# Altium PCB Lombardo_RevB.PcbDoc (part 2 of 2)
Units mil, origin at the board's own origin, x right, y up, seen from the top; angles counter-clockwise.
Board outline 3800 x 2752 mil, 4 copper layers (Top, L2, L3, Bottom), stack 59.694 mil thick; 168 components, 76 nets, 509 pads, 409 vias.
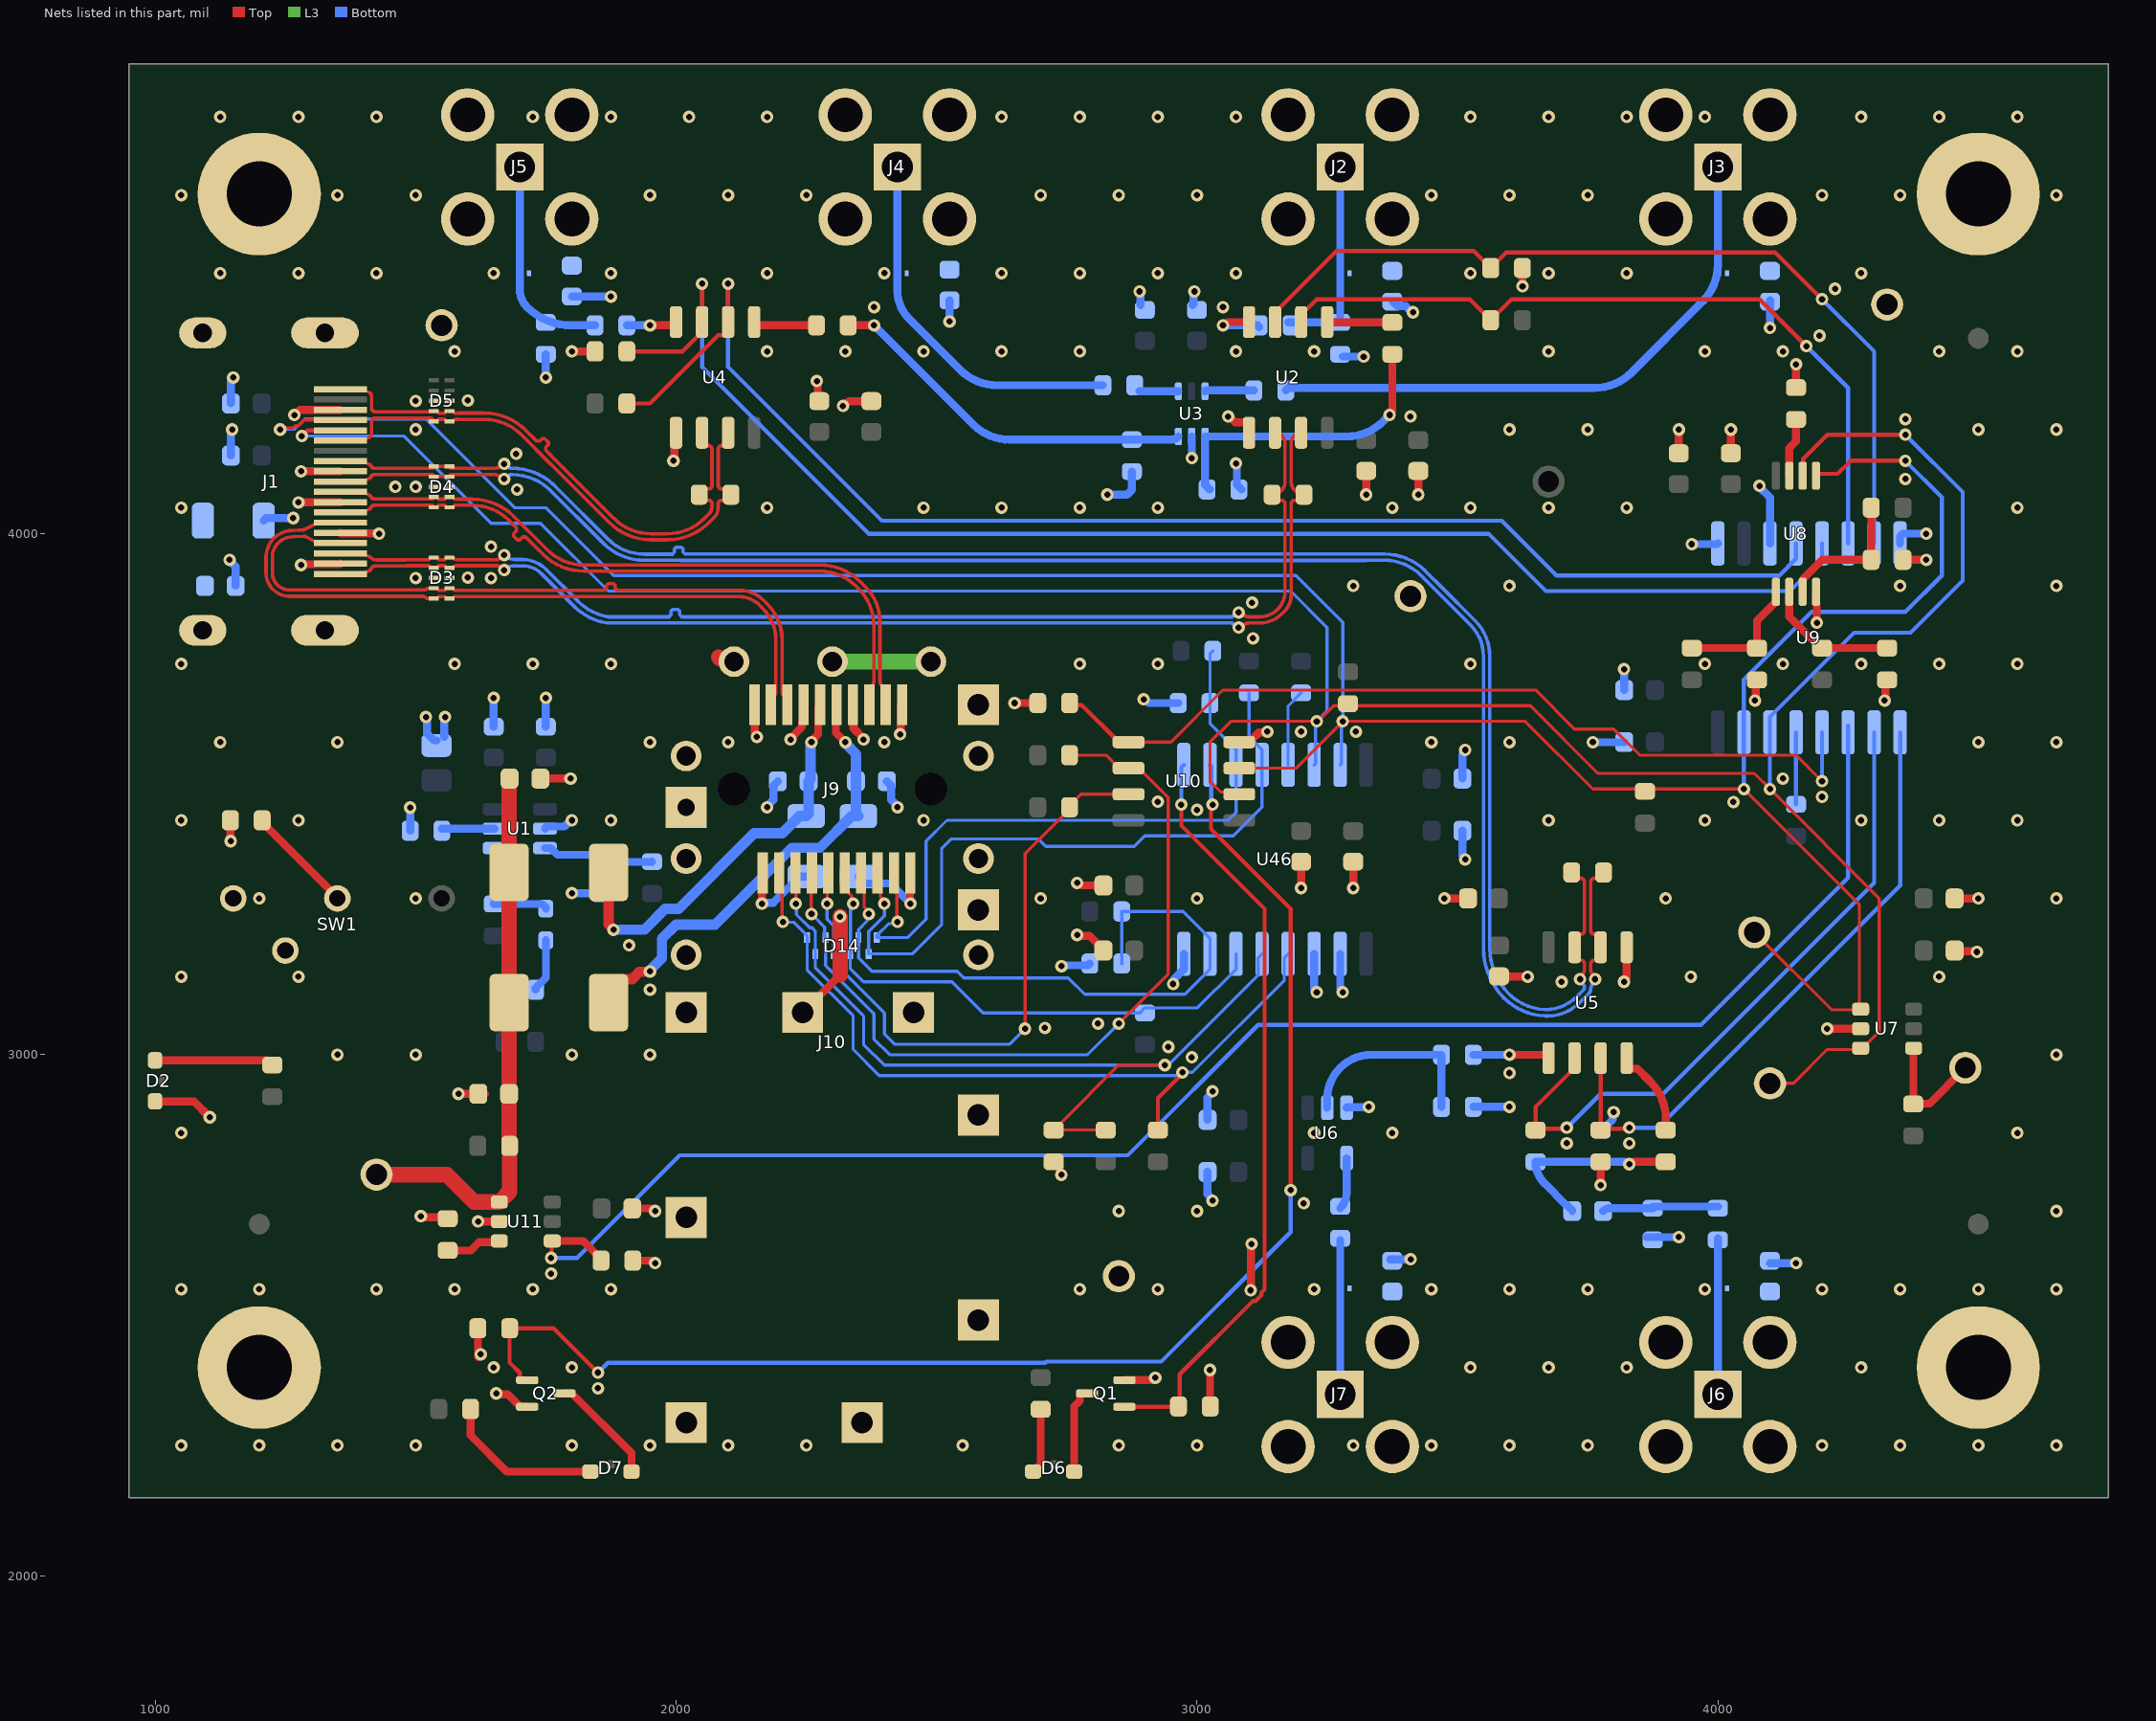
[diagram p4: the nets of this part, all layers, seen from the top]

## Via types
v1: diameter 24, hole 12, Top to Bottom, tented top, 409 vias

## Nets (pads, with @x,y where several pads share a name; then routed paths per layer and width w, separated by ;. In a path a pad name is that pad's centre, name@x,y a point inside that pad or via, vN(x,y) a via of type N, cw(c..) or ccw(c..) an arc to the next point about the centre after c; other vN are vias at no path point) (continued)
GND: C1.2 C2.2 C3.2 C4.2 C5.2 C6.2 C7.2 C8.2 C9.2 C10.2 C11.2 C12.2 C13.2 C14.2 C15.2 C16.2 C17.2 C19.2 C20.2 C21.2 C22.2 C23.2 C24.2 C25.2 C26.2 C27.2 C28.2 C29.2 C30.2 C31.2 C32.2 C33.2 C34.2 C35.2 C36.1 C37.1 C38.1 C39.1 C40.1 C41.1 C415.2 C416.1 D2.1 J1.2 J1.5 J1.8 J1.11 J1.17 J9.1 J9.10 J9.11 J9.14 J9.17 J9.20 Q1.2 Q2.2 R4.1 R5.2 R6.1 R11.1 R16.1 R18.1 R19.1 R28.1 R29.1 R30.1 R31.2 R40.1 R41.1 R42.1 R43.1 R47.1 R48.1 R50.1 R51.1 R52.1 R59.2 R60.1 R61.1 R62.1 R65.1 SW1.MH1 SW1.MH2 TP4.1 TP5.1 TP6.1 TP7.1 U1.2 U2.5 U3.2 U4.5 U5.5 U6.3 U7.2 U8.4 U9.1 U9.3 U9.8 U10.4 U11.2 U46.2 U46.3 U46.8 | length 5700.3
  Top w15: R59.2@1917.03,2605 1952.56,2605 1957.56,2600 v1(1960,2600) ; C25.2@3925,4154.53 v1(3925,4200) ; C26.2@4025,4154.53 v1(4025,4200) ; v1(4071,3680) 4072.72,3681.72 4072.72,3717.21 R29.1@4075,3719.49 ; R28.1@4150,4280.51 v1(4150,4325) ; U8.4@4188.39,3888.58 4188.56,3888.41 4188.56,3865.94 4190,3864.5 v1(4190,3829) ; v1(4210,3050) U7.2@4269.13,3050.01 ; v1(4320,3680) 4321.72,3681.72 4321.72,3716.21 R30.1@4325,3719.49 ; R31.2@4355.51,3950 v1(4400,3950)
  Top w15.44: D2.1@1000,2910.63 1074.37,2910.63 v1(1105,2880) ; R5.2@1144.49,3450 1144.74,3449.74 1144.74,3410.26 v1(1145,3410) ; v1(1267.29,4227.89) 1268.19,4227.89 1278.09,4237.8 J1.17@1355.91,4237.8 ; v1(1275,4060) 1275.31,4060.31 1355.59,4060.31 J1.8@1355.91,4060.63 ; v1(1280,3940) 1281.46,3941.46 1354.84,3941.46 J1.2@1355.91,3942.52 ; v1(1280,4120) 1280.16,4119.84 1355.75,4119.84 J1.11@1355.91,4119.69 ; J1.5@1355.91,4001.57 1356.69,4000.79 1429.21,4000.79 v1(1430,4000) ; v1(1510,2690) 1511.64,2688.36 1558.67,2688.36 R60.1@1561.52,2685.51 ; v1(1582.4,2925) C29.2@1632.87,2925 ; R62.1@1619.49,2475 1619.74,2474.74 1619.74,2420.26 v1@1620,2420 ; v1(1620,2680) U11.2@1660.66,2680 ; v1(1655,2350) 1656.64,2348.36 1676.72,2348.36 1700.67,2324.41 Q2.2@1714.17,2324.41 ; C32.2@1739.53,3530 v1(1797.5,3530) ; v1(1800,4350) R47.1@1844.49,4350 ; C35.2@1916.05,2705 1952.68,2705 1957.68,2700 v1(1960,2700) ; v1(1995,4140) 1996.64,4141.64 1996.64,4190.34 U4.5@2000,4193.7 ; J9.20@2149.37,3671.42 2151.49,3669.29 2151.49,3615.82 2155,3612.32 v1(2155,3610) ; v1(2165,3290) 2165.06,3290.06 2165.06,3348.52 J9.1@2165.12,3348.58 ; v1(2220,3605) 2220,3607.32 2241.73,3629.05 2241.73,3639.77 2243.86,3641.89 J9.17@2243.86,3671.42 ; v1(2270.3,4293) 2271.94,4291.36 2271.94,4257.59 C17.2@2275,4254.53 ; v1(2320.3,4245.3) 2322.62,4245.3 2331.84,4254.53 C16.2@2375,4254.53 ; J9.14@2338.35,3671.42 2340.47,3669.29 2340.47,3626.85 2360,3607.32 v1(2360,3605) ; v1(2430,3615) 2431.42,3616.42 2431.42,3670 J9.11@2432.84,3671.42 ; J9.10@2448.58,3348.58 2449.29,3347.87 2449.29,3290.71 v1(2450,3290) ; v1(2650,3675) R65.1@2694.49,3675 ; R40.1@2725,2794.49 2727.87,2794.49 2736.26,2786.1 2736.26,2775.46 2739.7,2772.02 v1(2739.7,2769.7) ; v1(2770,3230) 2771.64,3228.36 2793.53,3228.36 2820.47,3201.42 C7.2@2820.47,3200 ; v1(2770,3330) 2772.32,3330 2777.32,3325 C8.2@2820.47,3325 ; Q1.2@2860.83,2375.59 2913.27,2375.59 2917.68,2380 v1(2920,2380) ; v1(3025,2395) 3025.26,2394.74 3025.26,2325.26 R61.1@3025.51,2325 ; v1(3060,4225) 3062.32,4225 3073.32,4214 3095.91,4214 3100,4209.91 U2.5@3100,4193.7 ; U10.4@3081.3,3600 3085.39,3604.09 3104.09,3604.09 3118.36,3618.36 3133.36,3618.36 v1(3135,3620) ; v1(3103.15,2548) 3104.08,2548.92 3104.08,2635.92 v1(3105,2636.85) ; v1(3200,3320) C5.2@3200,3370.47 ; v1(3300,3320) C6.2@3300,3370.47 ; v1(3325,4075) C13.2@3325,4120.47 ; v1(3425,4075) C12.2@3425,4120.47 ; v1(3475,3300) C20.2@3520.47,3300 ; C19.2@3580,3150.47 3580.24,3150.24 3634.76,3150.24 v1(3635,3150) ; R43.1@3624.88,4510 3624.94,4509.94 3624.94,4475.06 v1(3625,4475) ; v1(3775,2750) R48.1@3775,2794.49 ; v1(3820,3140) 3820,3142.32 3825,3147.32 U5.5@3825,3206.3 ; C23.2@4454.53,3200 4455.84,3198.69 4496.06,3198.69 v1(4497.37,3197.37) ; C24.2@4454.53,3300 v1(4500,3300)
  Bottom w15: v1(2990,4145) U3.2@2990,4186.69 ; v1(3075,4135) 3076.72,4133.28 3076.72,4093.79 R50.1@3085.51,4085 ; v1(3760,3600) C27.2@3820.47,3600 ; v1(3820,3740) 3820.24,3739.76 3820.24,3700.24 C28.2@3820.47,3700 ; U9.8@4350,3981.3 4350,3994.7 4355.3,4000 v1(4400,4000)
  Bottom w15.44: v1(1143,3950) 1143,3948.53 1154.53,3937 C3.2@1154.53,3900 ; C1.2@1145.47,4150 1145.47,4195.16 1148,4197.68 v1(1148,4200) ; C2.2@1145.47,4250 1145.47,4293.16 1150,4297.68 v1(1150,4300) ; R4.1@1208.27,4025 1213.27,4030 v1(1265,4030) ; R6.1@1489.49,3430 1489.55,3430.06 1489.55,3474.3 v1(1489.62,3474.36) ; v1(1520,3648) 1521.64,3646.36 1521.64,3617.44 1535.61,3603.46 C11.2@1540,3603.46 ; C11.2@1554.69,3610 1555.11,3610.41 1555.11,3646.36 v1(1556.75,3648) ; C9.2@1650,3629.53 v1(1650,3685) ; U1.2@1748.43,3433.9 1752.52,3438 1785.68,3438 1797.68,3450 v1(1800,3450) ; C10.2@1750,3629.53 v1(1750,3685) ; v1(1750,4300) R16.1@1750,4344.49 ; v1(1800,3310) 1800.24,3310.24 1853.67,3310.24 C4.2@1853.9,3310.47 ; C39.1@1800,4455 v1(1875,4455) ; v1(2165,3290) 2166.64,3291.64 2186.72,3291.64 2237.01,3341.93 C33.2@2250,3341.93 ; v1(2175,3475) 2175,3477.32 2186.69,3489.01 2186.69,3516.22 C34.2@2195.47,3525 ; C30.2@2350,3341.93 2363.23,3328.7 2411.3,3328.7 v1(2450,3290) ; C31.2@2404.53,3525 2413.31,3516.22 2413.31,3489.01 2425,3477.32 v1(2425,3475) ; v1(2525,4407.4) C38.1@2525,4447.87 ; v1(2740,3170) 2741.64,3171.64 2791.13,3171.64 R41.1@2794.49,3175 ; v1(2828,4075) 2865.96,4075 2875,4084.04 R51.1@2875,4119.49 ; v1(2890,4465) 2891.64,4463.36 2891.64,4439.39 C14.2@2891.97,4439.06 ; v1(2897.8,3682.2) 2900.12,3682.2 2907.32,3675 R42.1@2963.98,3675 ; v1(2954.14,3135.86) 2955.78,3137.5 2955.78,3144.95 2975,3164.17 U46.8@2975,3193.7 ; C15.2@2991.97,4439.06 2993.36,4440.45 2993.36,4463.36 v1(2995,4465) ; C22.2@3020.47,2775 3020.24,2774.76 3020.24,2732.08 3030,2722.32 v1(3030,2720) ; C21.2@3020.47,2875 3020.47,2918.16 3030,2927.68 v1(3030,2930) ; U46.3@3225,3193.7 3225,3127.32 3230,3122.32 v1(3230,3120) ; U46.2@3275,3193.7 3275,3127.32 3280,3122.32 v1(3280,3120) ; R11.1@3280,4340 v1(3320,4340) ; U6.3@3287.4,2898.43 3288.19,2899.21 3329.21,2899.21 v1(3330,2900) ; C41.1@3370.6,2607.36 v1@3410.12,2607.36 ; C36.1@3376.42,4445.47 3385.2,4436.69 3400.99,4436.69 3412.68,4425 v1(3415,4425) ; C416.1@3509.53,3430 3509.53,3382.79 3515,3377.32 v1(3515,3375) ; C415.2@3509.53,3530 3509.53,3577.21 3515,3582.68 v1(3515,3585) ; R52.1@3530.51,2900 v1(3600,2900) ; R18.1@3775,2855.51 3777.87,2855.51 3798.36,2876 3798.36,2888.36 v1(3800,2890) ; R19.1@3863.7,2650 v1(3925,2650) ; v1(3950,3980) 3998.7,3980 U9.1@4000,3981.3 ; v1(4080,4092) 4080,4089.68 4100,4069.68 U9.3@4100,3981.3 ; C40.1@4100,2600 v1(4150,2600) ; v1(4100,4395) C37.1@4100,4447.87
  other v1: 1850,2360 1650,2400 1800,2400 1625,2425 1425,2550 1575,2550 1725,2550 1875,2550 2775,2550 2925,2550 3225,2550 3975,2550 1760,2580 3410.36,2607.6 2850,2700 3000,2700 4650,2700 3205,2715 3710,2830 3830,2830 3225,2850 3375,2850 4575,2850 3600,2965 2990,2995 1350,3000 1500,3000 1800,3000 1950,3000 4650,3000 2945,3015 2708,3051.54 2810,3060 1950,3125 3700,3140 1275,3150 3948,3150 4425,3150 1910,3210 1200,3300 1500,3300 2700,3300 3000,3300 3900,3300 4650,3300 1275,3450 1875,3450 2475,3450 3675,3450 3975,3450 4275,3450 4425,3450 4575,3450 3000,3470 4030,3485 2925,3485.69 4200,3495 4125,3530 1350,3600 1950,3600 2100,3600 2400,3600 3450,3600 3600,3600 4500,3600 4650,3600 3200,3620 3305,3620 1575,3750 1725,3750 1875,3750 2775,3750 2925,3750 3525,3750 3975,3750 4125,3750 4275,3750 4425,3750 4575,3750 3107.5,3799.32 3105.74,3867.8 3300,3900 3600,3900 4350,3900 4650,3900 1645,3915 1645,3975 2175,4050 2475,4050 2625,4050 2775,4050 2925,4050 3375,4050 3525,4050 3675,4050 3825,4050 4575,4050 1695,4085 4360,4105 1693.24,4153.47 1500,4200 3600,4200 3750,4200 4500,4200 4650,4200 4360,4220 3410,4225 1575,4350 2175,4350 2325,4350 2475,4350 2625,4350 2775,4350 3075,4350 3225,4350 3675,4350 3975,4350 4125,4350 4425,4350 4575,4350 4195,4380 2380,4435 3050,4435 4225,4470 1650,4500 2400,4500
HDMI_I2C_SCL: J1.15 R23.1 TP1.1 U7.3 U8.6 U9.14 U10.2 U46.14 | length 5782.7
  Top w6: U10.2@3081.3,3500 3077.15,3504.15 3045.85,3504.15 3025,3525 3025,3600 3065,3640 3232.51,3640 3262.51,3670 3640,3670 3770,3540 4070,3540 v1(4100,3510) 4310,3300 4310,3044.63 4277.97,3012.6 U7.3@4274.13,3012.6 ; TP1.1@4100,2945 4145,2945 4210,3010 U7.3@4274.48,3010
  Top w8: v1(1281.75,4187.49) 1281.82,4187.49 1292.72,4198.39 J1.15@1355.91,4198.43 ; U8.6@4162.8,4111.42 4163.67,4112.29 4163.67,4143.67 4210,4190 v1(4360,4190) v1@4363.06,4193.06
  Bottom w6: v1(1281.75,4187.49) 1477.51,4187.49 1645,4020 1740,4020 1870,3890 3180,3890 3250,3820 3250,3660 v1(3230,3640) 3227.5,3637.5 3227.5,3558.8 U46.14@3225,3556.3
  Bottom w8: v1(4100,3510) U9.14@4100,3618.7 4100,3648.23 4261.77,3810 4370,3810 4470,3910 4470,4080 v1(4360,4190)
HDMI_I2C_SCL_BUF: D14.8 J9.5 R58.1 U10.7 | length 1251.7
  Top w6: v1(2290,3290) 2290.55,3290.55 2290.55,3348.03 J9.5@2291.1,3348.58 ; v1(2670,3050) 2670,3386.34 2755.51,3471.85 R58.1@2755.51,3475 2755.51,3478.15 2777.36,3500 U10.7@2868.4,3500 ; U10.7@2851.4,3491.41 2859.99,3500 U10.7@2868.7,3500
  Bottom w6: v1(2290,3290) 2290,3260 2302.76,3247.24 D14.8@2302.76,3193.5 2320,3176.26 2320,3160 2400,3080 2400,3040 2420,3020 2640,3020 v1(2670,3050)
HDMI_I2C_SDA: J1.16 R24.1 TP2.1 U7.1 U8.5 U9.15 U10.3 U46.15 | length 5555.8
  Top w6: v1(1240,4200) 1242.53,4202.53 1264.25,4202.53 1269.21,4207.49 1275.18,4207.49 1285.79,4218.11 J1.16@1355.91,4218.11 ; U10.3@3081.3,3550 3190,3550 v1(3280,3640) 3630,3640 3760,3510 v1(4050,3510) 4271.52,3288.48 4271.52,3090.01 U7.1@4274.13,3087.4 4272.93,3086.2 4218.8,3086.2 TP2.1@4070,3235
  Top w8: U8.5@4188.39,4111.42 4192.06,4115.09 4230,4115.09 4254.91,4140 v1(4360,4140)
  Bottom w6: v1(1240,4200) 1240.39,4200.39 1266.3,4200.39 1273.8,4207.89 1275.57,4207.89 1287.68,4220 1520,4220 1690,4050 1750,4050 1880,3920 3190,3920 3280,3830 v1(3280,3640) 3277.5,3637.5 3277.5,3558.8 U46.15@3275,3556.3
  Bottom w8: v1(4050,3510) U9.15@4050,3618.7 4050,3720 4180,3850 4360,3850 4430,3920 4430,4070 v1(4360,4140)
HDMI_I2C_SDA_BUF: D14.2 J9.4 R56.1 U10.6 | length 1572.1
  Top w6: J9.4@2259.61,3348.58 2259.8,3348.39 2259.8,3270.2 v1(2260,3270) ; R56.1@2755.51,3575 2825,3575 2850,3550 U10.6@2868.7,3550 2888.97,3550 2945,3493.97 2945,3155 v1(2850,3060)
  Bottom w6: v1(2260,3270) 2285.1,3244.9 2285.1,3226.91 D14.2@2287.01,3225 2287.01,3171.5 2380,3078.5 2380,3030 2410,3000 2790,3000 v1(2850,3060)
HDMI_MGT_CLK_DE: R48.2 U5.3 U9.9 | length 1220.1
  Top w8: U5.3@3775,3012.4 U5.3@3775,2993.7 R48.2@3775,2855.51 3777.24,2857.76 3827.76,2857.76 v1(3830,2860)
  Bottom w8: v1(3830,2860) 3885,2860 4350,3325 U9.9@4350,3618.7
HDMI_MGT_CLK_IN: C18.1 R17.1 R18.2 R20.2 | length 375.1
  Top w15.33: v1(3830,2790) 3832.35,2790 3836.84,2794.49 R20.2@3900,2794.49
  Bottom w15.33: C18.1@3720.47,2700 3720.47,2701.39 3711.09,2710.77 3709.7,2710.77 3666.98,2753.49 cw(c3707.98,2794.49) R17.1@3650,2794.49 3819.16,2794.49 cw(c3819.16,2779.16) v1(3830,2790)
HDMI_MGT_CLK_IN_TERM: D12.2 J6.1 R63.2 | length 326.7
  Bottom w15.33: J6.1@4000,2321.06 R63.2@4000,2647.78
HDMI_MGT_CLK_N: D4.5 D4.6 J1.12 R46.1 U5.7 | length 3483.1
  Top w6.73: J1.12@1355.91,4139.37 1403.53,4137.02 1410.98,4133.2 cw(c1407.09,4125.59) 1414.67,4129.55 ccw(c1420.96,4132.84) 1420.96,4125.74 ; 1421.01,4125.74 1531.11,4125.74 ccw(c1531.11,4129.37) D4.6@1534.74,4129.37 D4.5@1565.26,4129.37 ccw(c1569.05,4129.37) 1569.05,4125.58 1649.61,4125.58 ccw(c1649.61,4154.42) v1(1670,4134.02) ; R46.1@3719.49,3350 3727.44,3342.05 ccw(c3735.22,3349.83) 3735.22,3338.82 3736.84,3338.82 cw(c3736.84,3331.72) 3741.87,3336.74 cw(c3736.84,3331.72) 3743.95,3331.72 3743.95,3238.34 cw(c3736.84,3238.34) 3741.87,3233.32 cw(c3736.84,3238.34) 3736.84,3231.24 ccw(c3736.84,3222.16) 3730.42,3228.58 ccw(c3743.5,3215.5) 3725,3215.5 U5.7@3725,3206.3 3725,3195.15 ccw(c3738.79,3195.15) 3729.04,3185.4 3730.72,3183.72 ccw(c3736.43,3189.45) 3736.43,3181.36 3736.84,3181.36 cw(c3736.84,3174.25) 3741.87,3179.28 cw(c3736.84,3174.25) 3743.95,3174.25 3743.95,3163.58 cw(c3729.53,3163.58) 3739.73,3153.4 3738.44,3152.11 ccw(c3745.55,3145) v1(3735.5,3145)
  Bottom w6.73: v1@1673.98,4134.02 v1(1670,4134.02) cw(c1670,4127.24) 1674.99,4131.84 1678.74,4127.77 ccw(c1683.73,4132.36) 1683.73,4125.58 1685.24,4125.58 cw(c1685.16,4008.52) 1763.09,4095.87 cw(c1750.51,4081.77) 1763.81,4095.19 1771.95,4087.05 1771.95,4086.83 1868.7,3990.07 ccw(c1939.41,4060.78) 1939.41,3960.78 1989.33,3960.78 1992.69,3960.78 1996.64,3964.72 1996.64,3970.67 1999.98,3974.02 2010.02,3974.02 2013.37,3970.67 2013.37,3964.88 2017.31,3960.94 2065.79,3960.94 3359.79,3960.94 cw(c3359.79,3849.49) 3438.6,3928.3 3471.49,3895.41 3471.71,3895.41 3533.7,3833.42 cw(c3465.14,3764.85) 3562.11,3764.85 3562.11,3204.4 ; 3562.11,3204.24 ccw(c3684.49,3204.24) 3597.75,3117.9 cw(c3593.5,3113.59) 3597.8,3117.86 ccw(c3673.24,3192.81) 3667.91,3086.6 ccw(c3667.91,3173.84) 3729.59,3112.15 3741.87,3124.43 ccw(c3736.84,3129.45) 3743.95,3129.45 ccw(c3736.84,3129.45) 3741.87,3134.46 3738.44,3137.9 cw(c3745.55,3145) v1(3735.5,3145)
HDMI_MGT_CLK_OUT: R21.2 R52.2 U6.2 | length 384.4
  Bottom w15.33: U6.2@3250,2898.43 3250,2914.64 cw(c3335.36,2914.64) 3275,2975 cw(c3335.36,2914.64) 3335.36,3000 R21.2@3469.49,3000 R52.2@3469.49,2900
HDMI_MGT_CLK_OUT_BUF: D13.2 J7.1 R22.2 | length 298.4
  Bottom w15.33: J7.1@3275,2346.06 R22.2@3275,2644.49
HDMI_MGT_CLK_P: D4.4 D4.7 J1.10 R46.2 U5.6 | length 3484.5
  Top w6.73: J1.10@1355.91,4100 1403.53,4102.35 1410.98,4106.17 ccw(c1407.09,4113.78) 1414.67,4109.82 cw(c1420.96,4106.53) 1420.96,4113.63 ; 1421.01,4113.63 1530.79,4113.63 cw(c1530.79,4109.68) D4.7@1534.74,4109.68 D4.4@1565.26,4109.68 cw(c1569.05,4109.68) 1569.05,4113.47 1649.61,4113.47 cw(c1649.61,4084.63) v1(1670,4105.02) ; v1(3764.5,3145) ccw(c3754.45,3145) 3761.56,3152.1 3760.28,3153.39 cw(c3770.47,3163.58) 3756.05,3163.58 3756.05,3174.25 cw(c3763.16,3174.25) 3758.13,3179.28 cw(c3763.16,3174.25) 3763.16,3181.36 3763.57,3181.36 ccw(c3763.57,3189.45) 3769.29,3183.73 3770.96,3185.4 ccw(c3761.21,3195.15) 3775,3195.15 U5.6@3775,3206.3 3775,3215.5 ccw(c3756.5,3215.5) 3769.58,3228.58 ccw(c3763.16,3222.16) 3763.16,3231.24 cw(c3763.16,3238.34) 3758.13,3233.32 cw(c3763.16,3238.34) 3756.05,3238.34 3756.05,3331.72 cw(c3763.16,3331.72) 3758.13,3336.74 cw(c3763.16,3331.72) 3763.16,3338.82 3764.78,3338.82 ccw(c3764.78,3349.83) 3772.56,3342.05 R46.2@3780.51,3350
  Bottom w6.73: v1(1670,4105.02) v1@1671.16,4105.02 ; v1@1673.98,4105.02 v1@1671.16,4105.02 ; 3550,3204.23 ccw(c3684.49,3204.24) 3589.22,3109.31 ccw(c3673.24,3192.81) 3667.31,3074.51 ccw(c3673.24,3192.81) 3667.44,3074.5 ccw(c3673.24,3192.81) 3673.39,3074.36 ; 3550,3204.4 3550,3764.64 ccw(c3464.64,3764.64) 3525,3825 3463.27,3886.73 3463.27,3886.96 3430.36,3919.86 ccw(c3359.65,3849.15) 3359.65,3949.15 3325.32,3949.15 3325,3948.84 3313.5,3948.84 2022.17,3948.84 2009.33,3948.83 2009.17,3948.99 1939.37,3948.99 cw(c1939.37,4060.68) 1860.4,3981.71 1755.5,4086.6 1755.28,4086.6 ccw(c1750.51,4081.77) 1755.03,4086.84 ccw(c1685.16,4008.52) 1685.23,4113.47 1683.75,4113.47 ccw(c1683.73,4106.69) 1677.45,4109.25 cw(c1671.16,4111.81) v1@1671.16,4105.02 ; 3673.38,3074.48 ccw(c3673.39,3160.57) 3734.29,3099.73 3752.2,3117.64 ccw(c3742.89,3126.94) 3756.05,3126.94 cw(c3769.21,3126.94) 3759.91,3136.24 3761.56,3137.89 ccw(c3754.45,3145) v1(3764.5,3145)
HDMI_MGT_CLK_RE_B: R55.1 U5.2 U9.10 | length 1304.5
  Top w8: v1(3710,2860) 3707.76,2857.76 3652.24,2857.76 R55.1@3650,2855.51 3650,2900 3725,2975 U5.2@3725,2993.7
  Bottom w8: v1(3710,2860) 3775,2925 3895,2925 4300,3330 U9.10@4300,3618.7
HDMI_MGT_RX_N: D4.2 D4.9 J1.9 J9.12 | length 1310.6
  Top w6.73: J1.9@1355.91,4080.32 1403.53,4077.96 1410.98,4074.15 cw(c1407.09,4066.54) 1414.67,4070.5 ccw(c1420.96,4073.79) 1420.96,4066.68 ; 1421.01,4066.68 1531.11,4066.68 ccw(c1531.11,4070.31) D4.9@1534.74,4070.31 1540.16,4070.31 1544.13,4066.34 1555.87,4066.34 1559.84,4070.31 D4.2@1565.26,4070.31 1567.88,4070.31 cw(c1567.88,4063.57) 1572.64,4068.34 ccw(c1577.41,4073.1) 1577.41,4066.36 1609.14,4066.36 cw(c1609.14,3954.92) 1687.95,4033.72 1752.38,3969.29 ccw(c1823.09,4040) 1823.09,3940 2275.51,3940 cw(c2275.51,3828.55) 2354.31,3907.36 2363.33,3898.33 cw(c2295.37,3830.37) 2391.48,3830.37 2391.48,3717.77 ccw(c2408.31,3717.77) 2396.41,3705.87 cw(c2384.52,3693.98) 2401.34,3693.98 J9.12@2401.34,3671.42
HDMI_MGT_RX_P: D4.1 D4.10 J1.7 J9.13 | length 1308.1
  Top w6.73: J1.7@1355.91,4040.94 1403.53,4043.3 1410.98,4047.11 ccw(c1407.09,4054.72) 1414.67,4050.76 cw(c1420.96,4047.47) 1420.96,4054.58 ; 1421.01,4054.58 1530.79,4054.58 cw(c1530.79,4050.63) D4.10@1534.74,4050.63 1540.16,4050.63 1544.13,4054.6 1555.87,4054.6 1559.84,4050.63 D4.1@1560.24,4050.63 ; D4.1@1565.26,4050.63 1567.88,4050.63 ccw(c1567.88,4057.37) 1572.64,4052.6 cw(c1577.41,4047.83) 1577.41,4054.58 1609,4054.58 cw(c1609,3954.58) 1679.71,4025.29 1693.93,4011.07 1693.93,4005.5 1688.46,4000.03 1688.46,3995.29 1695.56,3988.19 1700.29,3988.19 1705.76,3993.66 1711.34,3993.66 1732.5,3972.5 1744.08,3960.92 ccw(c1823.05,4039.9) 1823.05,3928.21 2275.37,3928.21 cw(c2275.37,3828.21) 2346.08,3898.92 2350.41,3894.59 cw(c2279.7,3823.88) 2379.7,3823.88 2379.7,3717.77 cw(c2362.87,3717.77) 2374.77,3705.87 ccw(c2386.67,3693.98) 2369.84,3693.98 J9.13@2369.84,3671.42
HDMI_MGT_TX_N: D3.1 D3.10 J1.6 J9.19 | length 1380
  Top w6.73: J1.6@1355.91,4021.26 1308.28,4018.91 1286.47,4008.19 cw(c1283.33,4014.57) 1283.78,4007.47 1264.63,4006.32 cw(c1264.2,4013.41) 1264.2,4006.3 ccw(c1264.2,3955) 1212.89,3955 1212.89,3925 ccw(c1257.89,3925) 1257.89,3880 1511.28,3880 cw(c1511.28,3865.07) 1521.84,3875.63 D3.10@1534.74,3875.63 1540.16,3875.63 1544.13,3879.6 1555.87,3879.6 1559.84,3875.63 D3.1@1565.26,3875.63 1570.67,3875.63 1574.65,3879.6 1830.07,3879.6 ; 1830.09,3879.58 1833.45,3879.58 ; 1833.48,3879.6 2078.95,3879.6 2079.14,3879.42 2119.53,3879.42 cw(c2119.45,3819.67) 2164.68,3858.7 2166.5,3856.59 ccw(c2181.05,3869.14) 2167.34,3855.67 cw(c2106.77,3796.31) 2191.59,3796.41 2191.59,3796.2 2191.59,3696.11 cw(c2181.89,3696.11) J9.19@2181.89,3686.42